# Altium PCB 0.PCB1.PcbDoc (part 7 of 12) (continued)
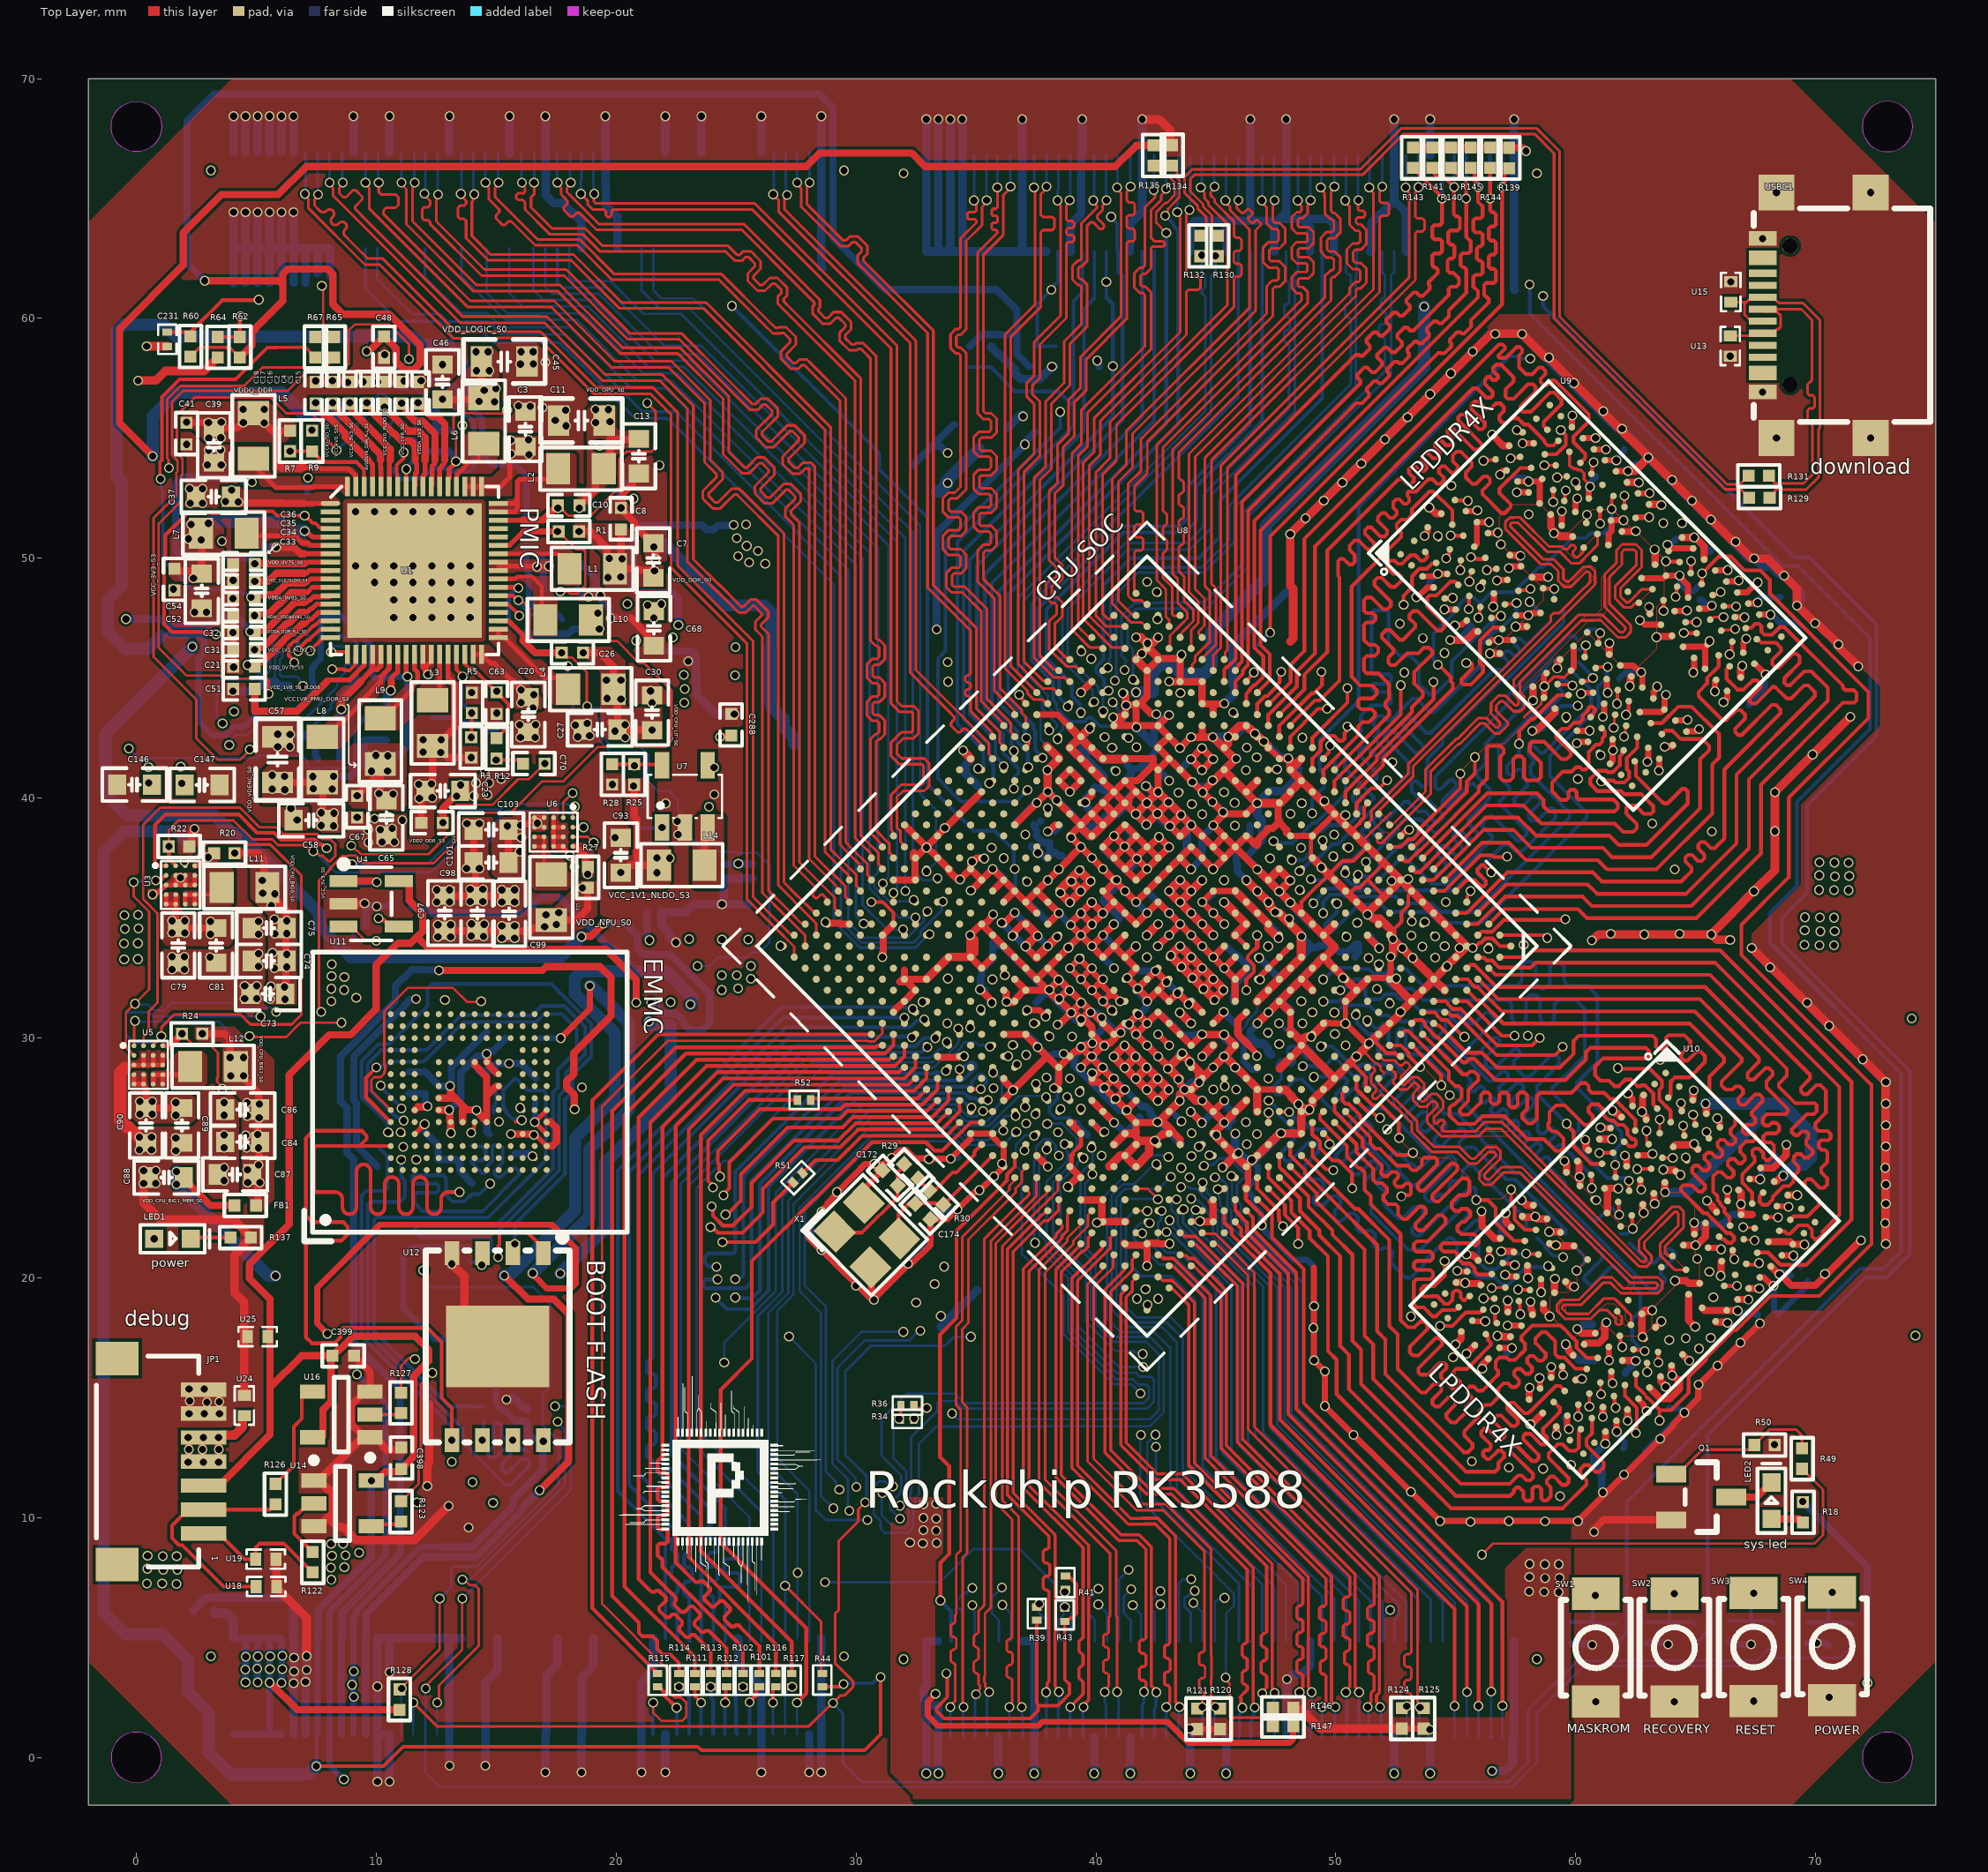
[diagram p0: Top Layer view]
## Nets (pads, with @x,y where several pads share a name; then routed paths per layer and width w, separated by ;. In a path a pad name is that pad's centre, name@x,y a point inside that pad or via, vN(x,y) a via of type N, cw(c..) or ccw(c..) an arc to the next point about the centre after c; other vN are vias at no path point) (continued)
  Bottom Layer w0.508: v1(21.577,50.473) C6.1@21.577,50.563 ; C159.1@27.423,42.281 27.423,42.502 26.974,42.951 C158.1@26.974,43.172 26.974,43.295 26.461,43.809 C160.1@26.461,43.932 26.425,43.967 26.425,45.09 26.436,45.101 26.43,45.106 26.43,46.262 26.461,46.292 26.461,47.736 26.163,48.033 24.57,48.033 22.04,50.563 C6.1@21.577,50.563 ; C6.1@21.577,50.563 C6.1@21.496,50.643 C6.1@21.577,50.563
  other v1: 60.839,2.324 64.115,2.324 67.417,2.349 70.567,2.503 7.051,3.145 6.573,4.154 60.687,4.69 63.859,4.705 13.842,9.589 55.62,9.828 59.354,10.894 62.014,11.793 58.643,12.037 57.22,12.088 59.811,12.19 55.671,12.342 63.529,13.285 2.196,14.325 2.831,14.325 3.466,14.325 49.55,14.654 2.946,14.812 3.456,14.825 2.227,14.857 2.196,15.361 2.831,15.361 54.889,16.684 65.145,17.041 66.872,17.295 64.586,17.473 65.628,17.498 49.067,17.905 53.131,18.387 33.537,18.405 42.154,18.872 42.071,19.52 29.992,19.657 70.39,20.165 42.13,20.496 43.074,21.417 71.889,21.562 72.905,22.274 0.807,23.925 3.652,24.052 64.364,24.286 0.299,24.458 0.807,24.458 3.652,24.585 72.905,24.585 33.954,24.966 1.645,25.296 0.121,25.322 0.629,25.322 3.652,25.423 61.513,25.779 1.645,25.83 0.629,25.855 3.652,25.957 45.35,26.471 3.652,26.769 48.897,27.01 3.652,27.303 54.757,27.608 39.842,28.527 39.373,28.77 44.886,28.764 63.52,29.081 71.965,29.106 42.592,29.229 42.132,29.689 58,30.087 34.758,30.426 70.568,30.503 69.654,31.468 4.514,31.632 5.022,31.632 4.514,32.166 5.022,32.166 52.522,32.476 50.299,32.5 1.491,32.852 1.999,32.852 68.104,32.942 5.091,32.979 3.066,33.36 31.097,33.36 53.203,33.338 1.491,33.385 1.999,33.385 5.091,33.512 38.852,33.76 52.771,33.745 55.154,33.758 26.846,33.835 57.83,33.881 22.488,33.98 43.053,34.287 5.091,34.325 61.462,34.339 64.332,34.339 5.091,34.858 51.323,35.142 12.516,35.659 13.05,35.659 15.234,35.659 15.768,35.659 13.913,35.685 14.447,35.685 34.785,36.139 12.516,36.167 13.05,36.167 15.234,36.167 15.768,36.167 13.913,36.193 14.447,36.193 52.318,36.548 34.33,36.599 53.011,36.622 1.836,36.673 64.129,37.031 13.761,37.056 14.294,37.056 34.843,37.347 18.066,37.593 32.938,37.938 9.672,38.154 10.244,38.16 10.752,38.16 19.947,38.347 22.582,38.484 65.679,38.606 9.665,38.682 10.165,38.686 10.662,38.735 13.783,38.936 14.294,38.936 63.189,38.936 22.541,39.026 6.7,39.086 11.081,39.078 9.928,39.137 9.203,39.191 10.538,39.22 50.4,39.29 45.301,39.422 6.446,39.571 22.064,39.774 42.124,39.791 44.851,39.835 49.524,39.876 14.056,40.089 14.637,40.13 24.092,40.153 44.444,40.237 13.514,40.547 19.84,40.564 14.165,40.62 14.706,40.633 44.018,40.661 44.866,40.742 15.206,40.8 60.091,40.79 14.523,41.113 52.356,41.489 5.893,42.139 6.392,42.147 16.01,42.529 16.62,42.529 18.4,42.552 18.898,42.604 5.892,42.662 15.985,43.062 16.645,43.062 18.295,43.041 18.79,43.112 21.502,43.968 13.978,44.395 21.434,44.463 52.852,45.235 4.051,45.459 39.809,45.806 43.574,45.974 41.908,46.013 54.528,46.048 53.625,46.669 4.031,46.898 52.674,47.267 10.727,47.533 11.523,47.533 12.319,47.533 13.114,47.533 13.91,47.533 2.421,47.746 2.925,47.746 10.727,48.261 11.523,48.261 12.319,48.261 13.114,48.261 13.91,48.261 4.031,48.32 1.538,48.711 9.931,48.989 10.727,48.989 11.523,48.989 12.319,48.989 13.114,48.989 13.91,48.989 42.133,49.02 9.135,49.673 9.931,49.673 10.727,49.673 11.523,49.673 12.319,49.673 13.114,49.673 13.91,49.673 3.562,50.708 63.647,51.465 64.433,51.457 65.641,51.611 58.041,51.834 9.135,51.938 9.931,51.938 10.727,51.938 11.523,51.938 12.319,51.938 13.114,51.938 13.91,51.938 2.243,52.29 2.751,52.29 64.853,52.398 2.218,52.899 2.751,52.896 54.814,53.027 50.274,53.16 64.015,53.262 2.954,53.893 3.535,53.893 51.061,53.947 3.014,54.506 3.514,54.517 2.091,54.746 52.052,54.963 68.371,55.01 72.301,55.01 7.323,55.342 17.914,55.517 17.459,55.753 52.991,55.878 61.145,56.132 17.899,56.178 16.926,56.284 16.42,56.332 15.921,56.359 53.931,56.843 67.796,56.93 59.926,57.3 8.804,57.324 8.173,57.399 11.167,57.393 54.795,57.707 12.759,58.076 16.006,58.095 16.545,58.103 17.043,58.179 58.884,58.367 66.441,58.424 10.353,58.484 16.035,58.607 16.542,58.606 55.709,58.621 66.466,61.529 67.796,63.33 68.371,65.25 72.301,65.25
GPIO0_A0: BTB_3.3 U8.P33 | length 22
  Top Layer w0.156: v1@33.501,6.555 33.518,6.572 33.518,8.115 33.88,8.478 33.88,12.149 33.499,12.53 33.499,17.628 34.19,18.319 34.19,21.95 35.974,23.734 36.295,24.056 36.295,24.306 36.615,24.626 U8.P33@36.615,25.093
  Bottom Layer w0.156: v1(33.518,6.539) 33.955,6.101 BTB_3.3@33.955,4.843
GPIO0_B2: BTB_3.19 U8.K29 | length 27.1
  Layer 4 w0.102: v1(40.242,25.087) 40.242,25.071 39.856,24.684 39.706,24.684 39.643,24.622 39.634,24.622 39.395,24.383 39.395,24.189 40.416,23.169 40.416,20.428 40.953,19.891 44.127,19.891 45.059,18.959 45.059,9.012 44.686,8.639 43.695,8.639 ; v1(41.535,6.348) 42.158,6.971 42.158,7.111 43.69,8.643
  Bottom Layer w0.102: v1(41.535,6.348) 41.517,6.329 41.881,5.965 41.881,4.917 BTB_3.19@41.955,4.843
GPIO0_B7: BTB_3.18 U8.T28 | length 31.1
  Layer 4 w0.102: v1(37.939,28.346) 37.927,28.335 37.927,28.022 37.516,27.61 37.516,27.377 37.871,27.021 37.879,27.021 38.235,26.666 38.842,26.666 39.186,26.322 39.186,25.892 39.255,25.824 39.255,25.276 39.035,25.057 39.035,24.516 39.037,24.515 39.037,24.275 39.659,23.653 39.659,20.11 41.3,18.469 43.027,18.469 44.084,18.469 44.744,17.808 44.744,9.246 44.503,9.005 43.764,9.005 41.827,7.067 41.531,7.067 v1(41.472,7.008)
  Bottom Layer w0.102: BTB_3.18@41.455,4.843 41.455,5.718 41.158,6.014 41.158,6.694 v1(41.472,7.008)
GPIO0_C6: BTB_3.16 U8.T29 | length 39.7
  Layer 4 w0.102: v1(37.5,28.086) 37.425,28.086 37.21,27.871 37.138,27.871 36.706,27.439 36.433,27.439 36.41,27.462 36.232,27.462 36.172,27.402 36.172,27.113 35.91,26.851 35.91,26.725 34.786,25.601 34.106,25.601 30.398,25.601 27.947,23.15 27.947,18.451 28.629,17.769 28.629,14.038 28.958,13.709 35.421,13.709 40.787,8.343 40.787,7.059 v1(40.101,6.373)
  Bottom Layer w0.102: v1(40.101,6.373) 40.455,6.019 BTB_3.16@40.455,4.843
GPIO0_C7: BTB_3.15 U8.V31 | length 38.9
  Layer 4 w0.102: v1(35.732,27.907) 35.732,27.904 35.979,27.656 35.979,27.193 35.704,26.918 35.704,26.792 34.754,25.842 33.865,25.842 30.261,25.842 27.668,23.249 27.668,18.363 28.425,17.605 28.425,13.954 28.874,13.506 35.337,13.506 40.583,8.259 40.583,7.516 v1(40.101,7.034)
  Bottom Layer w0.102: BTB_3.15@39.955,4.843 39.955,5.718 39.658,6.014 39.658,6.591 v1(40.101,7.034)
GPIO0_D3: BTB_1.53 U8.U33 | length 34.1
  Top Layer w0.156: v1(27.541,2.288) 27.927,2.674 27.927,5.39 24.358,8.959 24.358,15.324 25.658,16.625 25.658,20.693 28.256,23.29 28.29,23.29 30.652,25.652 32.912,25.652 33.266,25.298 33.599,25.298 34.773,26.471 U8.U33@35.236,26.471
  Bottom Layer w0.102: BTB_1.53@27.535,0.98 v1@27.535,2.282
GPIO1_A2: BTB_3.55 U8.A26 | length 25.5
  Top Layer w0.156: U8.A26@45.807,22.335 45.807,22.296 46.048,22.055 46.048,21.782 47.665,20.165 47.665,14.095 55.469,6.29 v1(55.469,2.727)
  Bottom Layer w0.102: BTB_3.55@55.455,0.843 v1@55.455,2.712
GPIO1_A4: BTB_3.54 U8.B25 | length 26.6
  Top Layer w0.156: U8.B25@45.807,23.254 45.807,22.816 45.947,22.676 45.947,22.647 46.296,22.298 46.296,21.899 48.015,20.18 48.015,14.316 55.952,6.379 v1(55.952,2.142)
  Bottom Layer w0.102: BTB_3.54@55.946,0.834 v1@55.946,2.137
GPIO1_A7: BTB_3.46 U8.C25 | length 23.1
  Bottom Layer w0.102: v1(45.087,23.69) 45.126,23.652 45.126,23.333 45.177,23.282 45.177,23.003 45.453,22.727 45.453,22.01 46.011,21.453 47.866,19.598 47.866,14.123 55.455,6.533 BTB_3.46@55.455,4.843
GPIO1_B0: BTB_3.42 U8.C27 | length 22
  Bottom Layer w0.102: v1(44.167,22.831) 44.167,22.748 43.987,22.568 43.987,22.215 44.65,21.552 44.667,21.552 45.389,20.83 46.649,19.57 46.649,13.363 53.455,6.557 BTB_3.42@53.455,4.843
GPIO1_B1: BTB_3.47 U8.D25 | length 24
  Bottom Layer w0.102: v1(44.972,24.184) 45.032,24.124 45.214,24.124 45.482,23.857 45.482,22.971 45.646,22.807 45.646,22.105 46.154,21.596 48.148,19.603 48.148,14.349 55.955,6.541 BTB_3.47@55.955,4.843
GPIO1_C0: BTB_3.32 U8.G29 | length 25
  Top Layer w0.102: U8.G29@41.671,23.714 42.157,23.714 42.586,23.285 v1(42.586,23.267)
  Bottom Layer w0.102: v1(42.586,23.267) 42.568,23.285 41.095,23.285 41.036,23.226 41.036,20.378 41.046,20.367 41.046,18.989 41.695,18.339 42.409,18.339 42.414,18.344 42.902,18.344 43.127,18.344 43.845,17.627 43.845,11.824 48.431,7.238 BTB_3.32@48.431,4.867
GPIO1_C1: BTB_3.30 U8.G27 | length 24.6
  Bottom Layer w0.102: v1(42.515,24.737) 42.432,24.737 42.328,24.633 42.317,24.633 41.578,23.894 41.124,23.894 40.649,23.419 40.649,20.218 40.66,20.207 40.66,18.675 41.396,17.938 41.77,17.938 42.496,17.938 42.753,17.938 43.372,17.319 43.372,11.174 47.431,7.115 BTB_3.30@47.431,4.867
GPIO1_C4: BTB_3.35 U8.E30 | length 21.8
  Bottom Layer w0.114: v1@42.232,22.248 v1@42.285,22.195 ; v1@42.26,22.269 42.255,22.273 41.858,22.273 41.582,21.997 41.582,21.626 41.923,21.284 42.661,20.546 43.25,20.546 44.452,19.345 44.452,12.119 49.931,6.64 BTB_3.35@49.931,4.867
  other v1: 42.234,22.281
GPIO1_C6: BTB_3.39 R49.1 U8.D29 | length 45.1
  Top Layer w0.102: v1(56.097,8.452) 56.099,8.452 56.56,8.913 59.914,8.913 59.917,8.911 69.948,8.911 70.309,9.271 70.309,11.16 R49.1@69.438,12.031
  Layer 4 w0.102: v1(52.271,6.147) 52.6,6.147 54.905,8.452 v1(56.097,8.452)
  Bottom Layer w0.102: v1(43.067,22.392) 43.067,22.309 43.222,22.153 43.222,22.112 44.478,20.856 44.478,20.842 45.651,19.67 45.651,12.802 51.955,6.498 BTB_3.39@51.955,4.867 ; BTB_3.39@51.931,4.843 BTB_3.39@51.955,4.867 ; v1(52.271,6.147) 52.005,5.881 52.005,4.917 BTB_3.39@51.955,4.867
GPIO1_D3: BTB_3.40 U8.E28 | length 22.5
  Bottom Layer w0.102: v1(43.368,23.271) 43.355,23.271 43.136,23.052 43.136,22.847 43.415,22.568 43.415,22.192 43.987,21.62 44.006,21.62 45.092,20.534 45.996,19.63 45.996,12.975 52.629,6.343 52.629,5.916 52.455,5.742 BTB_3.40@52.455,4.843
GPIO1_D5: BTB_3.29 U8.G26 | length 25.5
  Bottom Layer w0.102: v1(43.027,25.033) 42.968,25.093 42.769,25.093 42.758,25.104 42.061,25.104 40.293,23.336 40.293,22.564 40.456,22.401 40.456,18.311 41.033,17.735 41.973,17.735 42.293,17.735 42.427,17.735 43.098,17.064 43.098,11.041 46.931,7.208 BTB_3.29@46.931,4.867
GPIO2_C5: BTB_3.8 U8.AE30 | length 40.2
  Layer 4 w0.102: v1(32.776,31.497) 32.814,31.497 33.385,30.926 33.385,30.529 33.248,30.391 32.008,30.391 31.83,30.213 31.83,27.877 31.83,27.419 31.401,26.99 29.016,26.99 26.202,24.176 26.202,14.887 28.413,12.676 34.152,12.676 36.782,10.046 36.782,6.966 36.174,6.358 v1(36.102,6.358)
  Bottom Layer w0.102: v1(36.102,6.358) 36.455,6.006 BTB_3.8@36.455,4.843
GPIO3_A6: BTB_2.89 U8.AH27 | length 45.1
  Bottom Layer w0.114: BTB_2.89@9.551,62.92 9.551,61.237 10.913,59.876 12.643,59.876 12.882,59.637 14.252,59.637 14.895,58.994 15.774,58.994 17.624,58.995 20.789,55.83 22.156,55.83 29.077,48.908 29.077,37.031 29.077,34.845 30.16,33.762 32.475,33.762 33.033,34.32 v1(33.069,34.32)
GPIO3_B2: BTB_3.4 U8.AE28 | length 41.8
  Layer 4 w0.102: v1(33.829,32.475) 31.702,32.475 30.944,31.717 30.944,28.763 30.944,28.286 30.456,27.798 28.694,27.798 25.416,24.52 25.416,14.799 28.148,12.066 33.612,12.066 35.935,9.743 35.935,9.116 35.249,8.431 35.249,7.592 35.069,7.412 35.069,7.34 34.844,7.115 v1(34.844,7.059)
  Bottom Layer w0.102: BTB_3.4@34.455,4.843 34.455,6.05 34.208,6.297 34.208,6.551 34.491,6.834 34.563,6.834 34.788,7.059 v1(34.844,7.059)
GPIO3_C0: BTB_1.46 U8.Y29 | length 35.1
  Bottom Layer w0.102: BTB_1.46@26.551,4.843 26.551,10.474 23.342,13.683 23.342,23.734 24.48,24.872 24.698,24.872 28.577,28.751 30.957,28.751 33.192,28.751 33.242,28.801 33.282,28.801 33.58,29.1 33.877,29.1 34.387,29.61 34.387,29.666 34.538,29.817 35,29.817 35.132,29.685 35.216,29.685 35.268,29.737 35.31,29.694 35.53,29.694 v1(35.589,29.635)
GPIO3_D5: BTB_3.5 U8.AB28 | length 43
  Layer 4 w0.102: v1(34.844,6.348) 34.844,6.379 35.081,6.616 35.081,6.688 35.63,7.237 35.63,8.304 36.155,8.828 36.155,9.81 33.696,12.269 28.233,12.269 25.619,14.883 25.619,24.343 28.823,27.547 30.751,27.547 31.292,28.088 31.292,28.415 31.292,31.667 31.798,32.172 33.542,32.172 34.322,31.392 34.913,31.392 35.114,31.192 v1(35.197,31.192)
  Bottom Layer w0.102: v1(34.844,6.348) 34.903,6.289 34.903,6.106 34.955,6.054 BTB_3.5@34.955,4.843
GPIO4_A3: BTB_2.81 U8.AL29 | length 38
  Top Layer w0.114: v1(30.318,34.759) 30.325,34.752 30.633,34.752 U8.AL29@30.64,34.745
  Bottom Layer w0.102: BTB_2.81@13.551,62.92 13.551,61.768 15.38,59.939 18.346,59.939 20.876,57.409 22.307,57.409 29.999,49.717 29.999,37.953 29.999,35.078 v1(30.318,34.759)
GPIO4_B1: BTB_2.65 U8.AL24 | length 31.8
  Bottom Layer w0.102: 21.876,60.836 23.212,60.836 32.671,51.377 32.671,40.625 32.671,40.178 33.337,39.513 33.337,37.343 v1(32.935,36.941)
  Bottom Layer w0.114: BTB_2.65@21.551,62.92 21.551,61.161 21.876,60.836
GPIO4_C6: BTB_1.65 U8.AF33 | length 43.8
  Top Layer w0.102: v1(21.541,2.288) 21.541,1.882 21.907,1.515 22.746,1.515 22.923,1.693 22.923,2.277 22.695,2.506 22.415,2.506 22.238,2.684 22.238,3.572 19.413,6.398 19.413,21.893 19.413,27.14 20.419,28.146 22.153,29.881 30.495,29.881 30.519,29.856 30.761,29.856 31.099,30.195 U8.AF33@31.099,30.608
  Bottom Layer w0.156: BTB_1.65@21.535,0.98 v1@21.535,2.282
HDMI_TX0_CEC_M0: BTB_2.66 U8.AK24 | length 32.6
  Bottom Layer w0.102: 21.839,60.399 23.065,60.399 32.372,51.092 32.372,40.325 32.372,36.985 32.782,36.574 33.087,36.574 33.105,36.592 33.341,36.592 v1(33.4,36.651)
  Bottom Layer w0.114: BTB_2.66@21.051,62.92 21.051,61.187 21.839,60.399
HDMI_TX0_D0N: BTB_4.37 U8.AJ1 | length 25
  Top Layer w0.109: U8.AJ1@44.428,46.695 44.428,46.707 44.281,46.854 44.281,46.945 44.528,47.192 44.528,48.319 44.144,48.703 44.144,54.245 50.781,60.882 50.842,60.943 50.842,61.174 50.923,61.255 51.042,61.255 51.276,61.49 51.276,62.085 51.042,62.319 50.811,62.319 50.73,62.4 50.73,62.779 50.811,62.86 51.042,62.86 51.276,63.094 51.276,63.689 51.042,63.923 50.923,63.923 50.842,64.004 50.842,64.135 50.921,64.214 51.155,64.214 51.218,64.278 51.218,64.419 51.155,64.483 50.99,64.483 50.926,64.547 50.926,64.854 v1@50.929,64.857 ; v1@50.947,64.839 v1(50.947,64.92)
  Bottom Layer w0.109: BTB_4.37@50.931,66.793 50.931,64.936 v1(50.947,64.92)
HDMI_TX0_D0P: BTB_4.36 U8.AJ2 | length 24.9
  Top Layer w0.109: U8.AJ2@43.969,46.235 43.969,47.002 44.267,47.3 44.267,48.21 43.883,48.594 43.883,54.353 50.414,60.884 50.581,61.051 50.581,61.283 50.815,61.517 50.934,61.517 51.015,61.598 51.015,61.976 50.934,62.058 50.702,62.058 50.468,62.292 50.468,62.887 50.702,63.121 50.934,63.121 51.015,63.202 51.015,63.581 50.934,63.662 50.815,63.662 50.581,63.896 50.581,64.135 50.581,64.662 50.395,64.848 v1(50.395,64.916)
  Bottom Layer w0.109: v1(50.395,64.916) 50.431,64.952 BTB_4.36@50.431,66.793
HDMI_TX0_D1N: BTB_4.35 U8.AK2 | length 24.9
  Top Layer w0.109: U8.AK2@43.509,46.695 43.546,46.732 43.546,46.862 43.665,46.982 44.066,47.383 44.066,47.845 43.672,48.239 43.672,49.241 43.466,49.447 43.466,49.876 43.466,50.471 43.547,50.552 43.577,50.552 43.658,50.633 43.658,51.012 43.577,51.093 43.547,51.093 43.466,51.174 43.466,51.553 43.547,51.634 43.577,51.634 43.658,51.715 43.658,52.093 43.577,52.174 43.547,52.174 43.466,52.256 43.466,52.634 43.547,52.715 43.577,52.715 43.658,52.796 43.658,53.175 43.577,53.256 43.547,53.256 43.466,53.337 43.466,53.731 43.466,54.428 49.757,60.719 49.801,60.763 49.801,61.652 49.882,61.733 49.95,61.733 50.184,61.968 50.184,62.563 49.95,62.797 49.721,62.797 49.64,62.878 49.64,63.256 49.721,63.338 49.95,63.338 50.184,63.572 50.184,64.167 49.95,64.401 49.882,64.401 49.801,64.482 49.801,64.881 49.801,65.181 49.796,65.186 49.796,65.277 49.942,65.423 v1(49.942,65.491)
  Bottom Layer w0.109: v1@49.931,65.502 BTB_4.35@49.931,66.793
HDMI_TX0_D1P: BTB_4.34 U8.AK3 | length 24.9
  Top Layer w0.109: U8.AK3@43.048,46.236 43.086,46.273 43.086,46.772 43.557,47.243 43.805,47.491 43.805,47.737 43.411,48.131 43.411,49.132 43.205,49.339 43.205,54.536 49.388,60.719 49.539,60.871 49.539,61.76 49.774,61.995 49.842,61.995 49.923,62.076 49.923,62.454 49.842,62.535 49.613,62.535 49.378,62.77 49.378,63.365 49.613,63.599 49.842,63.599 49.923,63.68 49.923,64.059 49.842,64.14 49.774,64.14 49.539,64.374 49.539,64.881 49.539,65.073 49.535,65.078 49.535,65.231 49.391,65.374 v1@49.391,65.465
  Bottom Layer w0.109: v1@49.406,65.479 BTB_4.34@49.406,66.79
  other v1: 49.372,65.454
HDMI_TX0_D2N: BTB_4.33 U8.AL1 | length 24.9
  Top Layer w0.109: U8.AL1@43.509,47.614 43.503,47.608 43.241,47.608 43.177,47.672 43.177,48.816 42.798,49.195 42.798,49.604 42.798,50.199 42.879,50.28 42.881,50.28 42.962,50.361 42.962,50.74 42.881,50.821 42.879,50.821 42.798,50.902 42.798,51.281 42.879,51.362 42.881,51.362 42.962,51.443 42.962,51.822 42.881,51.903 42.879,51.903 42.798,51.984 42.798,52.354 42.798,54.616 48.836,60.653 48.836,60.856 48.836,61.096 48.619,61.312 48.479,61.312 48.424,61.367 48.424,61.621 48.479,61.675 48.869,61.675 49.077,61.883 49.077,62.354 48.869,62.561 48.479,62.561 48.424,62.616 48.424,62.87 48.479,62.924 48.869,62.924 49.077,63.132 49.077,63.602 48.869,63.81 48.479,63.81 48.424,63.864 48.424,64.118 48.479,64.173 48.619,64.173 48.836,64.39 48.836,64.655 48.836,64.728 48.947,64.839 v1(48.947,64.92)
  Bottom Layer w0.109: v1@48.931,64.936 48.931,65.496 BTB_4.33@48.931,66.793
HDMI_TX0_D2P: BTB_4.32 U8.AL2 | length 24.9
  Top Layer w0.109: U8.AL2@43.05,47.154 43.056,47.161 43.056,47.423 42.916,47.563 42.916,48.708 42.537,49.087 42.537,54.724 48.574,60.762 48.574,60.856 48.574,60.987 48.51,61.051 48.37,61.051 48.163,61.259 48.163,61.729 48.37,61.937 48.761,61.937 48.815,61.991 48.815,62.245 48.761,62.3 48.37,62.3 48.163,62.507 48.163,62.978 48.37,63.185 48.761,63.185 48.815,63.24 48.815,63.494 48.761,63.548 48.37,63.548 48.163,63.756 48.163,64.227 48.37,64.434 48.51,64.434 48.574,64.498 48.574,64.655 48.574,64.679 48.415,64.838 v1(48.415,64.916)
  Bottom Layer w0.109: v1(48.415,64.916) 48.431,64.932 48.431,65.289 BTB_4.32@48.431,66.793
HDMI_TX0_D3N: BTB_4.39 U8.AH2 | length 24.8
  Top Layer w0.109: U8.AH2@44.429,45.775 44.429,45.824 45,46.396 45,48.748 44.812,48.936 44.812,54.085 51.826,61.099 51.826,63.602 51.826,64.197 51.908,64.278 52.127,64.278 52.208,64.359 52.208,64.738 52.127,64.819 51.908,64.819 51.826,64.9 51.826,65.294 51.917,65.385 51.942,65.409 v1(51.942,65.491)
  Bottom Layer w0.109: v1@51.931,65.502 BTB_4.39@51.931,66.793
HDMI_TX0_D3P: BTB_4.38 U8.AH3 | length 24.8
  Top Layer w0.109: U8.AH3@43.969,45.316 44.006,45.354 44.006,45.557 44.133,45.684 44.133,45.898 44.739,46.504 44.739,47.481 44.739,48.64 44.551,48.828 44.551,54.193 51.565,61.207 51.565,65.227 51.391,65.401 v1(51.391,65.465)
  Bottom Layer w0.109: v1@51.406,65.479 BTB_4.38@51.406,66.79
HDMI_TX0_HPD_M0: BTB_3.56 U8.B26 | length 26
  Top Layer w0.156: U8.B26@45.348,22.794 45.348,22.287 45.439,22.195 45.48,22.195 45.667,22.008 45.667,21.798 47.274,20.191 47.274,13.859 54.952,6.18 v1(54.952,2.142)
  Bottom Layer w0.102: BTB_3.56@54.946,0.834 v1@54.946,2.137
HDMI_TX0_SBDN: BTB_4.42 U8.AG1 | length 25
  Top Layer w0.109: U8.AG1@45.348,45.776 45.384,45.812 45.384,46.082 45.473,46.17 45.473,53.755 53.311,61.594 53.311,62.952 53.311,63.547 53.393,63.628 53.614,63.628 53.695,63.709 53.695,64.088 53.614,64.169 53.393,64.169 53.311,64.25 53.311,64.791 53.311,65.257 53.441,65.386 v1(53.441,65.468)
  Bottom Layer w0.109: BTB_4.42@53.431,66.793 53.436,66.788 53.436,65.472 v1(53.441,65.468)
HDMI_TX0_SBDP: BTB_4.41 U8.AG2 | length 24.9
  Top Layer w0.109: U8.AG2@44.888,45.316 44.888,45.956 45.211,46.279 45.211,47.008 45.211,53.863 53.05,61.702 53.05,65.239 52.915,65.374 v1(52.915,65.454)
  Bottom Layer w0.109: v1(52.915,65.454) 52.923,65.461 52.923,66.785 BTB_4.41@52.931,66.793
HDMI_TX0_SCL_M0: BTB_2.79 U8.AJ28 | length 38.7
  Bottom Layer w0.102: BTB_2.79@14.551,62.92 14.599,62.872 14.599,61.059 15.446,60.212 18.609,60.212 21.107,57.714 22.554,57.714 30.266,50.003 30.266,38.22 30.266,35.545 31.294,34.517 31.951,34.517 v1(31.961,34.527)
HDMI_TX0_SDA_M0: BTB_2.88 U8.AJ25 | length 45.8
  Bottom Layer w0.114: 10.039,61.621 11.474,60.186 12.638,60.186 12.951,59.873 14.678,59.873 15.222,59.33 17.883,59.33 21.105,56.108 22.511,56.108 29.372,49.248 29.372,37.326 29.372,34.842 30.246,33.968 32.389,33.968 32.704,34.283 32.704,34.455 33.56,35.312 33.56,35.634 v1(33.614,35.688) ; 10.045,61.627 BTB_2.88@10.045,62.914
HDMI_TX1_CEC_M0: BTB_3.7 U8.AC30 | length 41.7
  Layer 4 w0.102: v1(33.806,30.608) 33.828,30.631 33.828,30.978 32.874,31.933 32.317,31.933 31.599,31.216 31.599,28.108 31.599,27.57 31.269,27.239 28.882,27.239 25.897,24.255 25.897,14.905 28.329,12.473 34.067,12.473 36.561,9.979 36.561,7.558 v1(36.088,7.084)
  Bottom Layer w0.102: BTB_3.7@35.955,4.843 35.955,5.718 35.658,6.014 35.658,6.655 v1(36.088,7.084)
HDMI_TX1_D0N: BTB_4.25 U8.AP4 | length 23.3
  Top Layer w0.109: U8.AP4@40.752,47.614 40.74,47.614 40.592,47.467 40.502,47.467 40.269,47.699 40.269,47.959 40.271,47.96 40.271,53.479 40.855,54.063 40.855,55.566 45.751,60.462 45.751,61.062 45.751,61.657 45.832,61.738 45.985,61.738 46.066,61.819 46.066,62.198 45.985,62.279 45.829,62.279 45.748,62.36 45.748,62.739 45.829,62.82 45.985,62.82 46.066,62.901 46.066,63.28 45.985,63.361 45.832,63.361 45.751,63.442 45.751,64.028 45.751,64.048 44.946,64.853 44.946,64.96 44.787,65.119 44.787,65.276 44.942,65.431 v1(44.942,65.491)
  Bottom Layer w0.109: v1@44.931,65.502 BTB_4.25@44.931,66.793
HDMI_TX1_D0P: BTB_4.24 U8.AN4 | length 23.3
  Top Layer w0.109: U8.AN4@41.211,47.154 40.445,47.154 40.008,47.591 40.008,47.959 40.007,47.96 40.007,53.588 40.591,54.172 40.591,55.676 45.487,60.572 45.487,63.939 44.681,64.744 44.681,64.851 44.523,65.009 44.523,65.239 44.368,65.394 v1(44.368,65.454)
  Bottom Layer w0.109: v1@44.406,65.479 BTB_4.24@44.406,66.79
HDMI_TX1_D1N: BTB_4.23 U8.AN5 | length 23.3
  Top Layer w0.109: U8.AN5@40.752,46.695 40.715,46.732 40.584,46.732 39.731,47.585 39.731,53.868 40.182,54.319 40.182,55.724 43.774,59.316 43.774,60.518 43.774,61.114 43.855,61.195 44.27,61.195 44.352,61.276 44.352,61.654 44.27,61.736 43.855,61.736 43.774,61.817 43.774,62.147 43.774,64.318 43.895,64.44 v1(43.895,64.521)
  Bottom Layer w0.109: v1(43.895,64.521) 43.927,64.553 43.927,65.296 43.931,65.299 BTB_4.23@43.931,66.793
HDMI_TX1_D1P: BTB_4.22 U8.AM5 | length 23.3
  Top Layer w0.109: U8.AM5@41.2,46.22 41.148,46.272 40.674,46.272 39.469,47.477 39.469,53.976 39.92,54.427 39.92,55.832 43.512,59.424 43.512,61.445 43.512,63.231 43.512,64.229 43.391,64.351 v1(43.391,64.432)
  Bottom Layer w0.109: v1(43.391,64.432) 43.391,65.467 43.431,65.507 BTB_4.22@43.431,66.793